# KiCad board RP2040_Akko_M1_Like.kicad_pcb (continued)
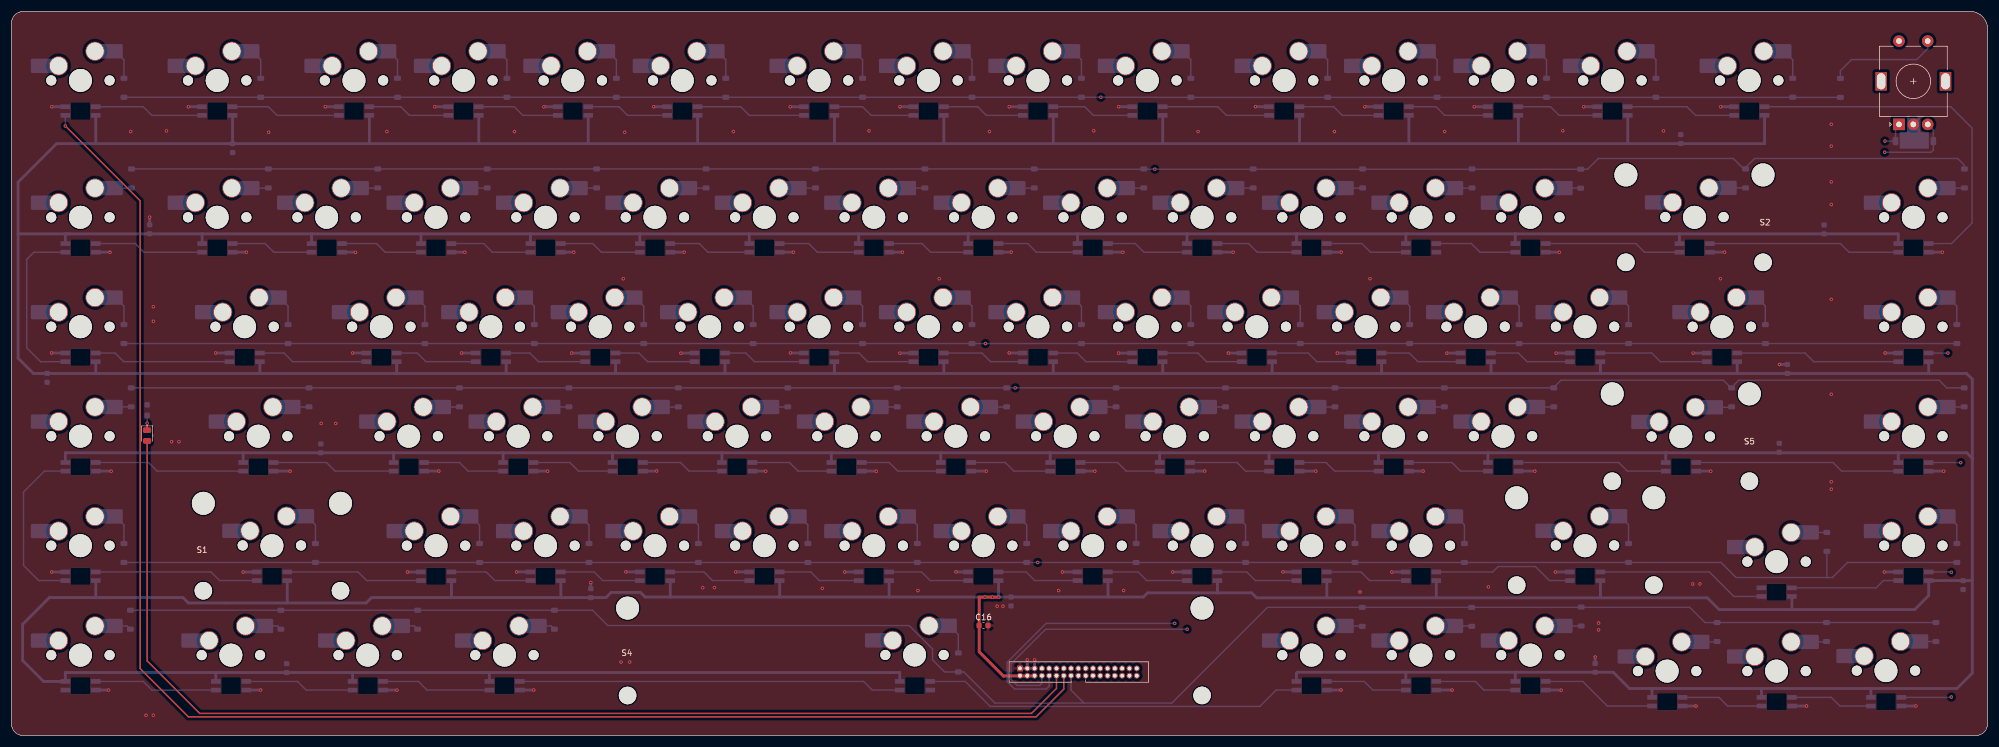
[diagram p0: board, top side]
## Nets
GND: C1.2 C2.2 C3.2 C4.2 C5.2 C6.2 C7.2 C8.2 C9.2 C10.2 C11.2 C12.2 C13.2 C14.2 C15.2 C16.2 J1.1 J1.3 J1.5 R1.2 RGB1.3 RGB2.3 RGB3.3 RGB4.3 RGB5.3 RGB6.3 RGB7.3 RGB8.3 RGB9.3 RGB10.3 RGB11.3 RGB12.3 RGB13.3 RGB14.3 RGB15.3 RGB16.3 RGB17.3 RGB18.3 RGB19.3 RGB20.3 RGB21.3 RGB22.3 RGB23.3 RGB24.3 RGB25.3 RGB26.3 RGB27.3 RGB28.3 RGB29.3 RGB30.3 RGB31.3 RGB32.3 RGB33.3 RGB34.3 RGB35.3 RGB36.3 RGB37.3 RGB38.3 RGB39.3 RGB40.3 RGB41.3 RGB42.3 RGB43.3 RGB44.3 RGB45.3 RGB46.3 RGB47.3 RGB48.3 RGB49.3 RGB50.3 RGB51.3 RGB52.3 RGB53.3 RGB54.3 RGB55.3 RGB56.3 RGB57.3 RGB58.3 RGB59.3 RGB60.3 RGB61.3 RGB62.3 RGB63.3 RGB64.3 RGB65.3 RGB66.3 RGB67.3 RGB68.3 RGB69.3 RGB70.3 RGB71.3 RGB72.3 RGB73.3 RGB74.3 RGB75.3 RGB76.3 RGB77.3 RGB78.3 RGB79.3 RGB80.3 RGB81.3 RGB82.3 RGB83.3 RGB84.3 RGB85.3 RGB86.3 RGB87.3 RGB88.3 ROTARY1.C
VBUS: C3.1 C4.1 C5.1 C6.1 C7.1 C8.1 C9.1 C10.1 C11.1 C12.1 C13.1 C14.1 C15.1 C16.1 J1.2 J1.4 J1.6 RGB1.1 RGB2.1 RGB3.1 RGB4.1 RGB5.1 RGB6.1 RGB7.1 RGB8.1 RGB9.1 RGB10.1 RGB11.1 RGB12.1 RGB13.1 RGB14.1 RGB15.1 RGB16.1 RGB17.1 RGB18.1 RGB19.1 RGB20.1 RGB21.1 RGB22.1 RGB23.1 RGB24.1 RGB25.1 RGB26.1 RGB27.1 RGB28.1 RGB29.1 RGB30.1 RGB31.1 RGB32.1 RGB33.1 RGB34.1 RGB35.1 RGB36.1 RGB37.1 RGB38.1 RGB39.1 RGB40.1 RGB41.1 RGB42.1 RGB43.1 RGB44.1 RGB45.1 RGB46.1 RGB47.1 RGB48.1 RGB49.1 RGB50.1 RGB51.1 RGB52.1 RGB53.1 RGB54.1 RGB55.1 RGB56.1 RGB57.1 RGB58.1 RGB59.1 RGB60.1 RGB61.1 RGB62.1 RGB63.1 RGB64.1 RGB65.1 RGB66.1 RGB67.1 RGB68.1 RGB69.1 RGB70.1 RGB71.1 RGB72.1 RGB73.1 RGB74.1 RGB75.1 RGB76.1 RGB77.1 RGB78.1 RGB79.1 RGB80.1 RGB81.1 RGB82.1 RGB83.1 RGB84.1 RGB85.1 RGB86.1 RGB87.1 RGB88.1
Caps: J1.12 LED1.2
COL0: J1.7 MX1.1 MX16.1 MX32.1 MX48.1 MX63.1 MX78.1
COL1: J1.9 MX2.1 MX17.1 MX33.1 MX49.1 MX64.1 MX79.1
COL2: J1.11 MX3.1 MX18.1 MX34.1 MX50.1 MX65.1 MX80.1
COL3: J1.13 MX4.1 MX19.1 MX35.1 MX51.1 MX66.1 MX81.1
COL4: J1.15 MX5.1 MX20.1 MX36.1 MX52.1 MX67.1
COL5: J1.17 MX6.1 MX21.1 MX37.1 MX53.1 MX68.1
COL6: J1.19 MX7.1 MX22.1 MX38.1 MX54.1 MX69.1
COL7: J1.21 MX8.1 MX23.1 MX39.1 MX55.1 MX70.1 MX82.1
COL8: J1.23 MX9.1 MX24.1 MX40.1 MX56.1 MX71.1
COL9: J1.25 MX10.1 MX25.1 MX41.1 MX57.1 MX72.1
COL10: J1.27 MX11.1 MX26.1 MX42.1 MX58.1 MX73.1 MX83.1
COL11: J1.29 MX12.1 MX27.1 MX43.1 MX59.1 MX74.1 MX84.1
COL12: J1.31 MX13.1 MX28.1 MX44.1 MX60.1 MX85.1
COL13: J1.33 MX14.1 MX29.1 MX45.1 MX75.1 MX86.1
COL14: J1.34 MX15.1 MX30.1 MX46.1 MX61.1 MX76.1 MX87.1
COL15: J1.32 MX31.1 MX47.1 MX62.1 MX77.1 MX88.1 ROTARY1.S2
COL16: J1.30
COL17: J1.28
R_A: C1.1 J1.10 ROTARY1.A
R_B: C2.1 J1.8 ROTARY1.B
RGB_DATA: J1.14 RGB1.4
ROW0: D1.1 D2.1 D3.1 D4.1 D5.1 D6.1 D7.1 D8.1 D9.1 D10.1 D11.1 D12.1 D13.1 D14.1 D15.1 D89.1 J1.26
ROW1: D16.1 D17.1 D18.1 D19.1 D20.1 D21.1 D22.1 D23.1 D24.1 D25.1 D26.1 D27.1 D28.1 D29.1 D30.1 D31.1 J1.24
ROW2: D32.1 D33.1 D34.1 D35.1 D36.1 D37.1 D38.1 D39.1 D40.1 D41.1 D42.1 D43.1 D44.1 D45.1 D46.1 D47.1 J1.22
ROW3: D48.1 D49.1 D50.1 D51.1 D52.1 D53.1 D54.1 D55.1 D56.1 D57.1 D58.1 D59.1 D60.1 D61.1 D62.1 J1.20
ROW4: D63.1 D64.1 D65.1 D66.1 D67.1 D68.1 D69.1 D70.1 D71.1 D72.1 D73.1 D74.1 D75.1 D76.1 D77.1 J1.18
ROW5: D78.1 D79.1 D80.1 D81.1 D82.1 D83.1 D84.1 D85.1 D86.1 D87.1 D88.1 J1.16
Net-(D1-A): D1.2 MX1.2
Net-(D2-A): D2.2 MX2.2
Net-(D3-A): D3.2 MX3.2
Net-(D4-A): D4.2 MX4.2
Net-(D5-A): D5.2 MX5.2
Net-(D6-A): D6.2 MX6.2
Net-(D7-A): D7.2 MX7.2
Net-(D8-A): D8.2 MX8.2
Net-(D9-A): D9.2 MX9.2
Net-(D10-A): D10.2 MX10.2
Net-(D11-A): D11.2 MX11.2
Net-(D12-A): D12.2 MX12.2
Net-(D13-A): D13.2 MX13.2
Net-(D14-A): D14.2 MX14.2
Net-(D15-A): D15.2 MX15.2
Net-(D16-A): D16.2 MX16.2
Net-(D17-A): D17.2 MX17.2
Net-(D18-A): D18.2 MX18.2
Net-(D19-A): D19.2 MX19.2
Net-(D20-A): D20.2 MX20.2
Net-(D21-A): D21.2 MX21.2
Net-(D22-A): D22.2 MX22.2
Net-(D23-A): D23.2 MX23.2
Net-(D24-A): D24.2 MX24.2
Net-(D25-A): D25.2 MX25.2
Net-(D26-A): D26.2 MX26.2
Net-(D27-A): D27.2 MX27.2
Net-(D28-A): D28.2 MX28.2
Net-(D29-A): D29.2 MX29.2
Net-(D30-A): D30.2 MX30.2
Net-(D31-A): D31.2 MX31.2
Net-(D32-A): D32.2 MX32.2
Net-(D33-A): D33.2 MX33.2
Net-(D34-A): D34.2 MX34.2
Net-(D35-A): D35.2 MX35.2
Net-(D36-A): D36.2 MX36.2
Net-(D37-A): D37.2 MX37.2
Net-(D38-A): D38.2 MX38.2
Net-(D39-A): D39.2 MX39.2
Net-(D40-A): D40.2 MX40.2
Net-(D41-A): D41.2 MX41.2
Net-(D42-A): D42.2 MX42.2
Net-(D43-A): D43.2 MX43.2
Net-(D44-A): D44.2 MX44.2
Net-(D45-A): D45.2 MX45.2
Net-(D46-A): D46.2 MX46.2
Net-(D47-A): D47.2 MX47.2
Net-(D48-A): D48.2 MX48.2
Net-(D49-A): D49.2 MX49.2
Net-(D50-A): D50.2 MX50.2
Net-(D51-A): D51.2 MX51.2
Net-(D52-A): D52.2 MX52.2
Net-(D53-A): D53.2 MX53.2
Net-(D54-A): D54.2 MX54.2
Net-(D55-A): D55.2 MX55.2
Net-(D56-A): D56.2 MX56.2
Net-(D57-A): D57.2 MX57.2
Net-(D58-A): D58.2 MX58.2
Net-(D59-A): D59.2 MX59.2
Net-(D60-A): D60.2 MX60.2
Net-(D61-A): D61.2 MX61.2
Net-(D62-A): D62.2 MX62.2
Net-(D63-A): D63.2 MX63.2
Net-(D64-A): D64.2 MX64.2
Net-(D65-A): D65.2 MX65.2
Net-(D66-A): D66.2 MX66.2
Net-(D67-A): D67.2 MX67.2
Net-(D68-A): D68.2 MX68.2
Net-(D69-A): D69.2 MX69.2
Net-(D70-A): D70.2 MX70.2
Net-(D71-A): D71.2 MX71.2
Net-(D72-A): D72.2 MX72.2
Net-(D73-A): D73.2 MX73.2
Net-(D74-A): D74.2 MX74.2
Net-(D75-A): D75.2 MX75.2
Net-(D76-A): D76.2 MX76.2
Net-(D77-A): D77.2 MX77.2
Net-(D78-A): D78.2 MX78.2
Net-(D79-A): D79.2 MX79.2
Net-(D80-A): D80.2 MX80.2
Net-(D81-A): D81.2 MX81.2
Net-(D82-A): D82.2 MX82.2
Net-(D83-A): D83.2 MX83.2
Net-(D84-A): D84.2 MX84.2
Net-(D85-A): D85.2 MX85.2
Net-(D86-A): D86.2 MX86.2
Net-(D87-A): D87.2 MX87.2
Net-(D88-A): D88.2 MX88.2
Net-(D89-A): D89.2 ROTARY1.S1
Net-(LED1-K): LED1.1 R1.1
Net-(RGB1-DOUT): RGB1.2 RGB2.4
Net-(RGB2-DOUT): RGB2.2 RGB3.4
Net-(RGB3-DOUT): RGB3.2 RGB4.4
Net-(RGB4-DOUT): RGB4.2 RGB5.4
Net-(RGB5-DOUT): RGB5.2 RGB6.4
Net-(RGB6-DOUT): RGB6.2 RGB7.4
Net-(RGB7-DOUT): RGB7.2 RGB8.4
Net-(RGB8-DOUT): RGB8.2 RGB9.4
Net-(RGB10-DIN): RGB9.2 RGB10.4
Net-(RGB10-DOUT): RGB10.2 RGB11.4
Net-(RGB11-DOUT): RGB11.2 RGB12.4
Net-(RGB12-DOUT): RGB12.2 RGB13.4
Net-(RGB13-DOUT): RGB13.2 RGB14.4
Net-(RGB14-DOUT): RGB14.2 RGB15.4
Net-(RGB15-DOUT): RGB15.2 RGB31.4
Net-(RGB16-DIN): RGB16.4 RGB17.2
Net-(RGB16-DOUT): RGB16.2 RGB32.4
Net-(RGB17-DIN): RGB17.4 RGB18.2
Net-(RGB18-DIN): RGB18.4 RGB19.2
Net-(RGB19-DIN): RGB19.4 RGB20.2
Net-(RGB20-DIN): RGB20.4 RGB21.2
Net-(RGB21-DIN): RGB21.4 RGB22.2
Net-(RGB22-DIN): RGB22.4 RGB23.2
Net-(RGB23-DIN): RGB23.4 RGB24.2
Net-(RGB24-DIN): RGB24.4 RGB25.2
Net-(RGB25-DIN): RGB25.4 RGB26.2
Net-(RGB26-DIN): RGB26.4 RGB27.2
Net-(RGB27-DIN): RGB27.4 RGB28.2
Net-(RGB28-DIN): RGB28.4 RGB29.2
Net-(RGB29-DIN): RGB29.4 RGB30.2
Net-(RGB30-DIN): RGB30.4 RGB31.2
Net-(RGB32-DOUT): RGB32.2 RGB33.4
Net-(RGB33-DOUT): RGB33.2 RGB34.4
Net-(RGB34-DOUT): RGB34.2 RGB35.4
Net-(RGB35-DOUT): RGB35.2 RGB36.4
Net-(RGB36-DOUT): RGB36.2 RGB37.4
Net-(RGB37-DOUT): RGB37.2 RGB38.4
Net-(RGB38-DOUT): RGB38.2 RGB39.4
Net-(RGB39-DOUT): RGB39.2 RGB40.4
Net-(RGB40-DOUT): RGB40.2 RGB41.4
Net-(RGB41-DOUT): RGB41.2 RGB42.4
Net-(RGB42-DOUT): RGB42.2 RGB43.4
Net-(RGB43-DOUT): RGB43.2 RGB44.4
Net-(RGB44-DOUT): RGB44.2 RGB45.4
Net-(RGB45-DOUT): RGB45.2 RGB46.4
Net-(RGB46-DOUT): RGB46.2 RGB47.4
Net-(RGB47-DOUT): RGB47.2 RGB62.4
Net-(RGB48-DIN): RGB48.4 RGB49.2
Net-(RGB48-DOUT): RGB48.2 RGB63.4
Net-(RGB49-DIN): RGB49.4 RGB50.2
Net-(RGB50-DIN): RGB50.4 RGB51.2
Net-(RGB51-DIN): RGB51.4 RGB52.2
Net-(RGB52-DIN): RGB52.4 RGB53.2
Net-(RGB53-DIN): RGB53.4 RGB54.2
Net-(RGB54-DIN): RGB54.4 RGB55.2
Net-(RGB55-DIN): RGB55.4 RGB56.2
Net-(RGB56-DIN): RGB56.4 RGB57.2
Net-(RGB57-DIN): RGB57.4 RGB58.2
Net-(RGB58-DIN): RGB58.4 RGB59.2
Net-(RGB59-DIN): RGB59.4 RGB60.2
Net-(RGB60-DIN): RGB60.4 RGB61.2
Net-(RGB61-DIN): RGB61.4 RGB62.2
Net-(RGB63-DOUT): RGB63.2 RGB64.4
Net-(RGB64-DOUT): RGB64.2 RGB65.4
Net-(RGB65-DOUT): RGB65.2 RGB66.4
Net-(RGB66-DOUT): RGB66.2 RGB67.4
Net-(RGB67-DOUT): RGB67.2 RGB68.4
Net-(RGB68-DOUT): RGB68.2 RGB69.4
Net-(RGB69-DOUT): RGB69.2 RGB70.4
Net-(RGB70-DOUT): RGB70.2 RGB71.4
Net-(RGB71-DOUT): RGB71.2 RGB72.4
Net-(RGB72-DOUT): RGB72.2 RGB73.4
Net-(RGB73-DOUT): RGB73.2 RGB74.4
Net-(RGB74-DOUT): RGB74.2 RGB75.4
Net-(RGB75-DOUT): RGB75.2 RGB76.4
Net-(RGB76-DOUT): RGB76.2 RGB77.4
Net-(RGB77-DOUT): RGB77.2 RGB88.4
Net-(RGB78-DIN): RGB78.4 RGB79.2
Net-(RGB79-DIN): RGB79.4 RGB80.2
Net-(RGB80-DIN): RGB80.4 RGB81.2
Net-(RGB81-DIN): RGB81.4 RGB82.2
Net-(RGB82-DIN): RGB82.4 RGB83.2
Net-(RGB83-DIN): RGB83.4 RGB84.2
Net-(RGB84-DIN): RGB84.4 RGB85.2
Net-(RGB85-DIN): RGB85.4 RGB86.2
Net-(RGB86-DIN): RGB86.4 RGB87.2
Net-(RGB87-DIN): RGB87.4 RGB88.2

Pads without a net: RGB78 2

## Via types
v1: diameter 0.6, hole 0.3, Top to Bottom, 160 vias

## Routing (per net, layer and track width the routed paths; a pad name or vN(x,y) marks a point on that pad's centre or on a via; arc(x,y) is an arc through that point)
GND: length 215.8
  Bottom w0.5: v1(268.78,28.45) 268.79,28.46 RGB75.3 ; v1(90.93,7.93) 90.91,7.91 RGB81.3 ; RGB61.3 295.79,46.01 v1(295.83,45.98) ; RGB74.3 240.31,28.46 v1(240.3,28.45) ; 176.03,109.43 v1(173.69,109.43) ; RGB59.3 245.74,46.01 v1(245.75,46.03) ; v1(207.73,46.03) 207.71,46.01 RGB57.3 ; 231.5,84.13 v1(231.49,84.11) RGB27.3 ; RGB73.3 221.36,28.46 v1(221.35,28.48) ; RGB53.3 131.29,46.01 v1(131.3,46) ; RGB58.3 v1(227.05,46.01) ; v1(93.33,46) 93.31,46.01 RGB51.3 ; v1(67.1,7.9) 67.09,7.91 RGB80.3 ; RGB49.3 48.49,46.01 v1(48.5,46) ; 90.28,28.48 v1(87.94,28.48) ; RGB85.3 269.76,7.91 v1(269.78,7.9) ; RGB22.3 136.11,84.11 v1(136.13,84.1) ; 182.95,28.45 v1(182.96,28.46) RGB71.3 ; RGB87.3 v1(312.49,5.13) 312.5,5.13 ; RGB3.3 v1(54.64,109.43) ; RGB19.3 78.91,84.11 v1(78.93,84.1) ; v1(17.15,84.1) 17.14,84.11 RGB16.3 ; 128.42,28.48 v1(126.08,28.48) ; 202.13,28.48 v1(202.14,28.46) RGB72.3 ; C11.2 v1(24.05,90.2) ; 37.89,66.58 v1(35.55,66.58) ; 295.09,66.55 v1(292.75,66.55) ; RGB84.3 v1(250.79,7.91) 250.8,7.9 ; RGB83.3 231.44,7.91 v1(231.45,7.93) ; RGB48.3 17.34,46.01 v1(17.35,46) ; v1(150.55,46) 150.54,46.01 RGB54.3 ; v1(59.9,84.08) 59.86,84.11 RGB18.3 ; v1(298.23,84.1) 298.21,84.11 RGB30.3 ; 157,66.55 v1(154.66,66.55) ; v1(16.9,7.9) 16.89,7.91 RGB78.3 ; J1.5 J1.1 ; v1(212.68,84.1) 212.66,84.11 RGB26.3 ; RGB23.3 155.09,84.11 v1(155.1,84.1) ; v1(74.4,46.03) 74.39,46.01 71.85,46.01 ; 33.14,109.43 v1(30.8,109.43) ; C6.2 v1(307.78,64.58) 307.75,64.6 ; v1(193.48,84.1) 193.46,84.11 RGB25.3 ; 326.03,28.48 v1(326.04,28.46) RGB77.3 ; RGB88.3 v1(331.52,5.13) 331.53,5.13 ; 95.03,109.43 v1(92.69,109.43) ; v1(188.6,46) 188.59,46.01 RGB56.3 ; RGB35.3 v1(78.35,66.56) 78.29,66.5 ; RGB31.3 336.11,84.11 v1(336.13,84.1) ; 299.88,109.43 v1(297.54,109.43) ; v1(265.2,46) 265.19,46.01 RGB60.3 ; RGB86.3 293.24,5.13 v1(293.25,5.13) ; RGB1.3 v1(7.01,109.43) ; 233.14,66.55 v1(230.8,66.55) ; RGB55.3 v1(169.69,46.01) 169.7,46 ; RGB52.3 112.31,46.01 v1(112.33,46.03) ; C3.2 v1(100.85,26.63) ; v1(269.45,84.1) 269.44,84.11 RGB29.3 ; 99.85,66.55 v1(97.51,66.55) ; RGB24.3 v1(174.04,84.11) 174.05,84.13 ; RGB4.3 v1(73.69,109.43) ; RGB21.3 v1(117.11,84.11) 117.13,84.1 ; 326.15,66.58 v1(326.16,66.56) RGB47.3 ; C9.2 v1(275.7,13.65) ; 195.1,66.55 v1(192.73,66.55) ; RGB79.3 43.36,7.91 v1(43.38,7.9) ; 178.11,11.63 v1(178.11,13.16) ; 61.73,66.58 v1(59.39,66.58) ; 9.34,28.45 v1(7.01,28.45) ; 137.95,66.58 v1(135.61,66.58) ; RGB17.3 40.89,84.11 v1(40.9,84.1) ; RGB11.3 v1(216.56,109.43) ; 271.24,66.55 v1(268.9,66.55) ; 109.29,28.48 v1(106.96,28.48) ; 214.18,66.55 v1(211.84,66.55) ; RGB12.3 v1(235.61,109.43) ; 252.21,66.55 v1(249.88,66.55) ; 137.93,109.43 v1(135.59,109.43) ; RGB6.3 v1(111.79,109.43) ; 276.05,109.43 v1(273.71,109.43) ; 195.1,109.43 v1(192.76,109.43) ; 71.28,28.45 v1(68.94,28.45) ; v1(164.43,28.48) 164.44,28.46 RGB70.3 ; 176.03,66.58 v1(173.69,66.58) ; 157.01,109.43 v1(154.68,109.43) ; RGB69.3 v1(145.04,28.46) 145.03,28.45 ; v1(97.88,84.1) 97.86,84.11 RGB20.3 ; 333.79,46.01 336.36,46.01 v1(336.38,46) ; 118.88,66.55 v1(116.54,66.55) ; 42.66,28.45 v1(40.33,28.45) ; v1(176.83,13.16) 176.84,13.15 J1.3 ; 9.31,66.58 v1(6.98,66.58) ; RGB13.3 v1(254.66,109.43)
  vias: v1(20.76,105.11) v1(23.43,3.51) v1(24.7,74.63) v1(24.7,72.09) v1(24.7,3.51) v1(26.99,105.24) v1(27.88,51.14) v1(29.15,51.14) v1(44.77,104.98) v1(53.91,54.31) v1(56.45,54.31) v1(65.34,105.11) v1(87.57,105.11) v1(106.11,12.78) v1(106.5,79.5) v1(106.74,104.98) v1(107.63,12.78) v1(120.33,25.74) v1(122.36,25.74) v1(125.67,105.11) v1(141.16,25.61) v1(149.29,105.24) v1(157.8,25.23) v1(161.5,79.5) v1(170.24,105.11) v1(171.58,22.5) v1(172.6,22.5) v1(182.31,25.23) v1(188.4,105.24) v1(193.61,25.23) v1(206.56,105.11) v1(230.31,105.11) v1(234.76,24.97) v1(236.5,79.5) v1(249.49,105.11) v1(257.11,25.86) v1(270.06,105.24) v1(276.29,19.57) v1(276.29,18.37) v1(287.59,105.24) v1(292.67,26.37) v1(293.94,26.37) v1(297.5,79.5) v1(316.8,106.38) v1(316.8,102.57) v1(316.8,96.35) v1(316.8,92.41) v1(316.8,75.9) v1(316.8,59.39) v1(316.8,44.15) v1(316.8,42.88)
VBUS: length 2264.3
  Top w0.5: v1(171.89,24.08) v1(170.75,24.08) v1(169.48,24.08) 168.46,24.08 168.46,14.56 172.66,10.36 178.11,10.36
  Bottom w0.5: RGB12.1 243.28,103.03 243.3,103 ; RGB22.1 128.44,87.26 128.4,87.3 ; 59.39,10.96 82.56,10.96 ; 59.39,10.96 35.56,10.96 ; 59.39,10.96 59.38,10.95 RGB80.1 ; 82.56,10.96 83.18,10.96 83.19,10.95 RGB81.1 ; 82.56,10.96 154.6,10.96 154.63,10.93 RGB82.1 ; RGB23.1 147.49,87.21 147.4,87.3 ; 76.6,24 62.67,24 61.74,23.07 30.8,23.07 29.86,24 16.7,24 ; 76.6,24 95.6,24 ; 76.6,24 76.59,24.01 RGB65.1 ; 162.3,63 162.31,63.01 RGB39.1 ; 162.3,63 181.4,63 ; 162.3,63 143.3,63 ; 199.9,49.2 219,49.2 ; 199.9,49.2 180.8,49.2 ; 199.9,49.2 199.88,49.18 RGB57.1 ; 219,49.2 218.93,49.13 RGB58.1 ; 219,49.2 238,49.2 ; RGB38.1 143.26,63.04 143.3,63 ; 142.8,49.2 142.73,49.13 RGB54.1 ; 142.8,49.2 123.7,49.2 ; 142.8,49.2 161.8,49.2 ; RGB40.1 181.36,63.04 181.4,63 ; 181.4,63 200.5,63 ; 200.5,63 219.5,63 ; 200.5,63 200.41,63.09 RGB41.1 ; 341.35,47.96 341.35,27.1 ; 341.35,47.96 341.35,62.02 340.37,63 333.44,63 ; 341.35,47.96 341.35,48.25 340.4,49.2 328.5,49.2 ; 341.35,27.1 341.21,26.96 RGB77.1 333.76,24.36 331.32,21.92 309.96,21.92 ; 341.35,27.1 341.35,10.85 338.68,8.18 323.7,8.18 ; RGB11.1 224.23,103.03 224.2,103 ; RGB68.1 133.74,24.14 133.7,24.1 ; 276.6,63 276.61,63.01 RGB45.1 ; 276.6,63 300.4,63 ; 276.6,63 257.6,63 ; RGB33.1 43.25,63.05 43.3,63 ; RGB18.1 52.24,87.24 52.3,87.3 ; 67.1,63 67.06,63.04 RGB34.1 ; 67.1,63 43.3,63 ; 67.1,63 86.2,63 ; 95.6,24 103.5,24 104.4,24.9 109.5,24.9 110.3,24.1 114.7,24.1 ; 95.6,24 95.64,24.04 RGB66.1 ; 261.8,87.3 261.79,87.29 RGB29.1 ; 261.8,87.3 290.4,87.3 ; 261.8,87.3 242.8,87.3 ; 166.6,87.3 166.54,87.24 RGB24.1 ; 166.6,87.3 185.6,87.3 ; 166.6,87.3 147.4,87.3 ; RGB76.1 309.94,21.94 309.96,21.92 ; RGB31.1 328.46,87.24 328.4,87.3 290.4,87.3 ; 143.2,103 143.26,103.06 RGB7.1 ; 143.2,103 162.3,103 ; 143.2,103 119.4,103 ; RGB75.1 276.61,23.98 ; RGB70.1 171.84,24.14 171.8,24.1 ; 185.6,87.3 185.59,87.29 RGB25.1 ; 185.6,87.3 204.6,87.3 ; 242.72,11.01 242.74,10.99 RGB84.1 ; 242.72,11.01 261.78,11.01 ; 242.72,11.01 223.86,11.01 223.69,10.84 RGB83.1 ; 243.3,103 224.2,103 ; 243.3,103 262.3,103 ; RGB69.1 152.79,24.11 152.8,24.1 ; 33.2,87.3 52.3,87.3 ; 33.2,87.3 10.1,87.3 ; 33.2,87.3 33.19,87.29 RGB17.1 ; 52.3,87.3 71.3,87.3 ; 300.4,63 300.43,63.03 RGB46.1 ; 300.4,63 333.44,63 ; 290.4,87.3 290.36,87.26 RGB30.1 ; 147.4,87.3 128.4,87.3 ; 181.3,103 181.36,103.06 RGB9.1 ; 181.3,103 200.4,103 ; 181.3,103 162.3,103 ; 262.3,103 262.33,103.03 RGB13.1 ; 262.3,103 281.4,103 ; RGB67.1 114.69,24.11 114.7,24.1 ; 257.1,49.2 257.03,49.13 RGB60.1 ; 257.1,49.2 238,49.2 ; 257.1,49.2 288,49.2 ; 71.3,87.3 90.3,87.3 ; 71.3,87.3 71.29,87.29 RGB19.1 ; 90.3,87.3 90.34,87.26 RGB20.1 ; 90.3,87.3 109.4,87.3 ; 16.7,24 14.7,24 14.68,24.03 RGB63.1 ; 16.7,24 6.58,24 1.94,19.36 1.94,13.06 5.59,9.41 RGB78.1 9.38,10.96 9.38,10.96 35.56,10.96 ; 124.2,63 124.21,63.01 RGB37.1 ; 124.2,63 105.2,63 ; 124.2,63 143.3,63 ; 281.4,103 281.38,103.03 RGB14.1 ; 281.4,103 305.2,103 305.19,103.01 RGB15.1 ; RGB51.1 85.58,49.18 85.6,49.2 ; 10.1,87.3 1.18,87.3 1.15,87.33 ; 10.1,87.3 9.4,87.3 9.38,87.28 RGB16.1 ; RGB87.1 304.65,8.18 ; 304.65,8.18 285.6,8.18 ; 304.65,8.18 323.7,8.18 ; 66.5,49.2 85.6,49.2 ; 66.5,49.2 66.53,49.18 RGB50.1 ; 66.5,49.2 40.4,49.2 ; 85.6,49.2 104.6,49.2 ; 171.8,24.1 152.8,24.1 ; 171.8,24.1 191,24.1 ; 128.4,87.3 109.4,87.3 ; 162.3,103 162.31,103.01 RGB8.1 ; 333.44,63 333.73,63 333.76,63.04 RGB47.1 ; RGB43.1 238.51,63.01 238.5,63 ; 238.5,63 257.6,63 ; 238.5,63 219.5,63 ; 257.6,63 257.56,63.04 RGB44.1 ; 219.5,63 219.46,63.04 RGB42.1 ; 133.7,24.1 152.8,24.1 ; 133.7,24.1 114.7,24.1 ; 309.96,21.92 297.27,21.92 295.23,23.96 216.76,23.96 215.89,24.83 209.94,24.83 ; RGB49.1 40.33,49.13 40.4,49.2 ; 209.94,24.83 209.94,24.83 RGB72.1 ; 209.94,24.83 197.78,24.83 197.05,24.1 191,24.1 ; RGB32.1 14.68,63.03 14.7,63 15.15,63 ; RGB61.1 287.98,49.18 288,49.2 ; 288,49.2 328.5,49.2 ; 328.5,49.2 328.46,49.16 328.46,47.51 ; 223.7,87.3 242.8,87.3 ; 223.7,87.3 204.6,87.3 ; 223.7,87.3 223.69,87.29 RGB27.1 ; 242.8,87.3 242.74,87.24 RGB28.1 ; 105.2,63 86.2,63 ; 105.2,63 105.16,63.04 RGB36.1 ; 15.15,63 3.82,63 1.15,65.67 1.15,96.29 7.86,103 C10.1 ; 15.15,63 43.3,63 ; 261.78,11.01 278.85,11.01 281.68,8.18 285.6,8.18 ; 261.78,11.01 261.79,11 RGB85.1 ; 35.56,10.96 35.57,10.95 RGB79.1 ; 180.8,49.2 180.83,49.18 RGB56.1 ; 180.8,49.2 161.8,49.2 ; 40.4,49.2 9.4,49.2 9.38,49.18 RGB48.1 ; RGB52.1 104.63,49.18 104.6,49.2 ; 238,49.2 237.98,49.18 RGB59.1 ; 204.6,87.3 204.64,87.26 RGB26.1 ; 109.4,87.3 109.39,87.29 RGB21.1 ; 104.6,49.2 123.7,49.2 ; 123.7,49.2 123.68,49.18 RGB53.1 ; 323.7,8.18 RGB88.1 ; 285.6,8.18 285.6,6.63 ; RGB5.1 100.4,103 ; 100.4,103 81.4,103 ; 100.4,103 119.4,103 ; RGB35.1 86.11,63.09 86.2,63 ; C10.1 62.3,103 ; C10.1 38.49,103.01 RGB2.1 ; 62.3,103 81.4,103 ; 62.3,103 62.3,107.93 ; 119.4,103 119.45,103.05 RGB6.1 ; RGB71.1 190.89,24.21 191,24.1 ; 81.4,103 81.35,103.05 RGB4.1 ; 224.2,103 200.4,103 ; RGB55.1 161.78,49.18 161.8,49.2 ; 200.4,103 200.41,103.01 RGB10.1 ; RGB74.1 248.04,24.24 ; RGB1.1 14.68,103.01 ; RGB73.1 228.99,24.21 ; RGB64.1 48.01,23.07
Caps: length 204.3
  Top w0.25: LED1.2 23.62,12.98 32.75,3.85 177.57,3.85 181.92,8.2 181.92,10.36
COL0: length 304.3
  In2.Cu w0.25: 4.2,54.6 4.23,54.63 MX48.1 ; 4.2,54.6 4.2,35.57 ; 4.2,54.6 4.2,73.7 ; 4.2,92.7 4.2,73.7 ; 4.2,92.7 4.2,115 5.74,116.54 MX1.1 ; 4.2,92.7 4.23,92.73 MX16.1 ; 4.2,73.7 4.22,73.68 MX32.1 ; 4.2,35.57 4.21,35.58 MX63.1 ; 4.2,35.57 4.2,23.63 8.19,19.64 MX78.1 18.57,16.53 31.05,4.05 165.07,4.05 175.7,14.69 178.88,14.69 179.38,14.18 179.38,11.63
COL1: length 290.7
  In2.Cu w0.25: 33.24,73.7 33.26,73.68 MX33.1 ; 33.24,73.7 33.55,73.39 33.55,54.7 ; 33.24,73.7 25.63,81.31 25.63,92.83 ; 37.91,35.7 37.91,45.14 33.55,49.5 33.55,54.7 ; 37.91,35.7 37.99,35.62 MX64.1 ; 37.91,35.7 37.91,23.45 34.38,19.92 MX79.1 48.67,16.53 53.65,11.55 74.2,11.55 81.15,4.6 164.47,4.6 175.32,15.45 180.02,15.45 180.65,14.82 180.65,11.63 ; 33.55,54.7 33.62,54.63 MX49.1 ; 25.63,92.83 25.73,92.73 MX17.1 ; 25.63,92.83 25.63,115.42 25.69,115.48 25.69,115.66 26.57,116.54 MX2.1
COL2: length 272.3
  In2.Cu w0.25: 55.04,73.68 55.04,61.93 61.14,55.83 61.14,54.64 ; 55.04,73.68 55.04,76.21 47.58,83.67 47.58,92.72 ; 55.04,73.68 55.04,73.68 MX34.1 ; MX18.1 47.59,92.73 47.58,92.72 ; 65.81,35.66 65.81,27.6 58.2,19.99 MX80.1 72.32,16.53 77.6,11.25 136.09,11.25 142.29,5.05 163.91,5.05 174.94,16.08 181.29,16.08 181.92,15.45 181.92,11.63 ; 65.81,35.66 65.89,35.58 MX65.1 ; 65.81,35.66 65.81,38.11 61.14,42.78 61.14,54.64 ; 47.58,92.72 47.58,114.32 49.8,116.54 MX3.1 ; MX50.1 61.15,54.63 61.14,54.64
COL3: length 243.9
  In2.Cu w0.25: 81.03,54.63 81.03,54.63 MX51.1 ; 81.03,54.63 81.03,43.51 85.51,39.03 85.51,38.88 85.46,38.83 85.46,35.58 ; 81.03,54.63 81.03,58.86 75.94,63.95 75.94,73.66 ; 85.46,35.58 85.46,35.58 MX66.1 ; 85.46,35.58 85.46,23.63 82.01,20.18 MX81.1 132.33,16.53 143.31,5.55 163.39,5.55 174.81,16.97 181.93,16.97 183.19,15.71 183.19,11.63 ; 75.94,73.66 75.96,73.68 MX35.1 ; 75.94,73.66 75.94,74.47 66.73,83.68 66.73,92.72 ; 66.73,92.72 66.74,92.73 MX19.1 ; 66.73,92.72 66.73,111.96 71.31,116.54 MX4.1
COL4: length 208
  In2.Cu w0.25: MX5.1 91.5,116.54 89.15,114.19 MX20.1 98.04,92.73 100.01,90.76 100.01,77.42 98.68,76.09 MX36.1 96.33,73.68 95.06,72.4 95.06,64.57 99.58,60.05 99.58,54.66 ; 99.58,54.66 99.58,46.11 108.2,37.48 MX67.1 119.42,35.58 121.55,33.45 121.55,28.58 144.08,6.05 162.88,6.05 174.56,17.73 182.69,17.73 184.46,15.96 184.46,11.63 ; 99.58,54.66 99.61,54.63 MX52.1
COL5: length 199.1
  In2.Cu w0.25: 118.93,54.76 118.93,56.79 114.06,61.66 114.06,72.3 115.44,73.68 MX37.1 117.73,76.85 119.44,78.57 119.44,91.52 118.24,92.73 MX21.1 108.2,114.89 109.85,116.54 MX6.1 ; 118.93,54.76 119.06,54.63 MX53.1 ; 118.93,54.76 118.93,43.9 MX68.1 138.35,35.58 139.38,34.55 139.38,17.1 149.94,6.54 162.47,6.54 174.43,18.5 183.4,18.5 185.73,16.17 185.73,11.63
COL6: length 189.1
  In2.Cu w0.25: MX54.1 138.43,54.63 138.39,54.67 ; 138.39,54.67 138.39,57.63 132.9,63.12 132.9,72.73 133.86,73.68 MX38.1 138.24,75.14 138.24,92.16 137.67,92.73 MX22.1 127.25,111.97 131.82,116.54 MX7.1 ; 138.39,54.67 138.39,45.65 146.3,37.74 MX69.1 143.76,35.58 143,34.82 143,15.89 147.59,11.3 166.35,11.3 174.31,19.26 184.72,19.26 187,16.98 187,11.63
COL7: length 172.5
  In2.Cu w0.25: 153.45,16.53 159.02,22.1 159.02,35.52 ; 157.38,54.69 157.38,57.83 151.7,63.52 151.7,72.72 152.66,73.68 MX39.1 ; 157.38,54.69 157.38,44.14 159.02,42.5 159.02,35.52 ; 157.38,54.69 157.45,54.63 MX55.1 ; 159.02,35.52 159.08,35.58 MX70.1 176.62,35.58 180.7,31.5 180.7,25.15 188.27,17.58 188.27,11.63 ; MX8.1 153.61,116.54 151.07,114 151.07,109.24 146.3,104.48 MX23.1 155.18,92.73 156.61,91.3 156.61,74.46
COL8: length 145.3
  In2.Cu w0.25: 176.35,54.65 176.35,55.65 171.25,60.75 171.25,72.46 172.46,73.68 MX40.1 176.64,75.44 176.64,91.4 175.31,92.73 MX24.1 165.35,104.16 168.59,107.4 168.59,113.22 171.91,116.54 MX9.1 ; 176.35,54.65 176.35,43.63 MX71.1 193.37,35.58 194.88,34.07 194.88,21.28 189.54,15.94 189.54,11.63 ; 176.35,54.65 176.37,54.63 MX56.1
COL9: length 138.8
  In2.Cu w0.25: 194.72,54.71 194.8,54.63 MX57.1 ; 194.72,54.71 194.72,44.31 MX72.1 200.55,35.58 197.04,32.07 197.04,21.14 190.81,14.91 190.81,11.63 ; 194.72,54.71 194.72,57.42 190.68,61.46 190.68,72.59 191.77,73.68 MX41.1 193.93,82.24 194.69,83 194.69,91.33 193.29,92.73 MX25.1 187.41,95.74 187.41,112.36 191.59,116.54 MX10.1
COL10: length 164
  In2.Cu w0.25: 214.53,54.65 214.55,54.63 MX58.1 ; 214.53,54.65 214.53,57.1 209.45,62.18 209.45,72.69 210.44,73.68 MX42.1 212.98,81.62 214.05,82.69 214.05,92.72 ; 214.53,54.65 214.53,45.46 222.5,37.48 MX73.1 220.72,35.58 219.14,33.99 219.14,22.56 222.5,19.19 MX83.1 194.24,16.53 192.08,14.37 192.08,11.63 ; MX26.1 214.04,92.73 214.05,92.72 ; 214.05,92.72 214.05,116.24 214.35,116.54 MX11.1
COL11: length 185.5
  In2.Cu w0.25: 233.35,92.7 233.35,115.75 234.14,116.54 236.79,116.54 ; 233.35,92.7 233.32,92.73 MX27.1 ; 233.35,92.7 233.35,82.24 232.03,80.92 MX43.1 229.69,73.68 228.66,72.65 228.66,64.09 231.58,61.17 231.58,54.69 ; 193.35,11.63 193.35,12.78 194.75,14.18 211.01,14.18 213.99,11.2 232.92,11.2 238.25,16.53 MX84.1 241.55,20.85 237.17,25.23 237.17,35.64 ; 237.17,35.64 237.17,40.34 231.58,45.93 231.58,54.69 ; 237.17,35.64 237.23,35.58 MX74.1 ; 231.58,54.69 231.65,54.63 236.79,54.63
COL12: length 207.4
  In2.Cu w0.25: 194.62,11.63 194.62,12.52 195.13,13.04 209.99,13.04 217.74,5.29 253.53,5.29 257.04,8.8 257.04,15.12 258.44,16.53 MX85.1 260.6,18.56 255.21,23.96 255.21,39.45 252,42.66 252,54.6 ; 252,54.6 252,60.2 247.3,64.9 247.3,72.7 248.28,73.68 MX44.1 251.08,78.78 252.5,80.2 252.5,92.8 ; 252,54.6 252.03,54.63 MX60.1 ; MX13.1 252.14,116.54 251.2,115.6 251.2,106.3 252.5,105 252.5,92.8 ; MX28.1 252.43,92.73 252.5,92.8
COL13: length 233.9
  In2.Cu w0.25: MX14.1 269.94,116.54 269,115.6 269,106.9 260.6,98.5 MX29.1 270.12,92.73 271.61,91.24 271.61,75.16 MX45.1 268.12,73.68 267.3,72.86 267.3,38.44 MX75.1 281.15,35.62 282.76,34.01 282.76,17.75 284.42,16.1 MX86.1 281.95,13.75 272.35,4.15 217.23,4.15 209.7,11.68 J1.33
COL14: length 261.2
  In2.Cu w0.25: 297.8,32.87 297.8,53.4 296.62,54.58 MX61.1 285.15,56.23 285.15,73.7 ; 297.8,32.87 297.8,22.13 303.47,16.46 MX87.1 301.13,13.75 296.91,9.52 296.91,3.85 296.19,3.13 216.85,3.13 209.57,10.41 J1.34 ; 297.8,32.87 297.87,32.8 MX76.1 ; 285.15,92.7 285.15,107.37 294.32,116.54 MX15.1 ; 285.15,92.7 285.21,92.77 MX30.1 ; 285.15,92.7 285.15,73.7 ; MX46.1 285.17,73.68 285.15,73.7
COL15: length 269.3
  In2.Cu w0.25: 322.52,73.7 322.52,54.6 ; 322.52,73.7 322.54,73.68 MX47.1 ; 322.52,73.7 322.52,92.7 ; 322.52,54.6 322.54,54.63 MX62.1 ; 322.52,54.6 322.52,36.78 ; 322.52,92.7 322.52,114.78 ROTARY1.S2 ; 322.52,92.7 322.54,92.73 MX31.1 ; 322.52,36.78 MX88.1 320.18,13.83 315.25,8.9 315.25,3.54 314.08,2.37 216.09,2.37 209.29,9.17 195.25,9.17 194.62,9.8 J1.32 ; 322.52,36.78 322.52,35.6 322.54,35.58 MX77.1
R_A: length 231.7
  In1.Cu w0.25: v1(326.15,103.45) 324.9,103.45 320.77,99.32 320.77,58.41 301.35,38.99 294.37,38.99 277.56,22.18 213.55,22.18 210.88,19.51 v1(202.5,19.51)
  Bottom w0.25: v1(202.5,19.51) 180.1,19.51 173.33,12.74 173.33,9.39 174.64,8.08 180.15,8.08 180.65,8.58 180.65,10.36 ; v1(326.15,103.45) 326.16,103.44 C1.1 327.99,105.75
R_B: length 236
  In1.Cu w0.25: v1(204.66,18.5) 211.39,18.5 214.44,21.54 277.94,21.54 294.59,38.2 301.96,38.2 321.56,57.8 321.56,98.09 324.97,101.5 v1(326.1,101.5)
  Bottom w0.25: ROTARY1.B 334.57,105.37 C2.1 334.57,101.87 334.2,101.5 v1(326.1,101.5) ; 179.38,10.36 179.38,9.09 179.01,8.72 175.08,8.72 174.01,9.79 174.01,12.47 180.04,18.5 v1(204.66,18.5)
RGB_DATA: length 270.2
  Top w0.25: 183.19,10.36 183.19,8.08 178.36,3.25 30.8,3.25 22.4,11.65 22.4,93.05 v1(9.37,106.08)
  Bottom w0.25: RGB1.4 v1(9.38,106.08)
ROW0: length 417
  In1.Cu w0.25: 190.81,10.41 190.81,9.24 191.71,8.34 196.66,8.34 198.05,9.73 198.05,37.25 191,44.3 191,79.2 195.8,84 195.8,96.8 189.65,102.95 v1(189.65,111.08)
  Bottom w0.25: D1.1 v1(189.65,111.08) 199.25,111.08 199.28,111.05 D89.1
ROW1: length 433.9
  In1.Cu w0.25: J1.24 189.54,8.91 190.88,7.57 197.17,7.57 199.45,9.86 199.45,35.1 210.85,46.5 210.85,57.05 205.4,62.5 205.4,77.55 199.05,83.9 v1(199.05,98.55)
  Bottom w0.25: 177.93,98.55 274.37,98.55 276.24,100.42 299.76,100.42 301.6,98.58 303.45,100.42 338.81,100.42 339.9,99.33 339.9,98.55 ; 20.79,98.6 158.95,98.6 ; D23.1 D24.1
ROW2: length 402.4
  In1.Cu w0.25: v1(169.55,68.21) 173.72,64.04 173.72,42.95 176.1,40.58 176.1,18.08 172.48,14.46 172.48,8.89 173.25,8.12 173.25,8.12 175.02,6.35 186.5,6.35 188.27,8.12 188.27,10.36
  Bottom w0.25: D32.1 D35.1 D36.1 D38.1 v1(169.55,68.21) D42.1 D45.1 D47.1
ROW3: length 392.9
  In1.Cu w0.25: v1(174.75,60.5) 174.75,43.71 177.35,41.1 177.35,18.35 173.2,14.2 173.2,9.32 175.62,6.9 185.8,6.9 187,8.1 187,10.36
  Bottom w0.25: 20.75,60.5 v1(174.75,60.5) 268.4,60.5 269.73,61.83 298.03,61.83 299.36,60.5 300.68,61.83 335.57,61.83 336.9,60.5 D62.1
ROW4: length 363.3
  In1.Cu w0.25: 185.73,10.36 185.73,8.48 184.65,7.4 176.26,7.4 173.91,9.75 173.91,13.61 178.65,18.35 v1(178.65,30.11)
  Bottom w0.25: 316.04,27.49 316.03,27.5 D76.1 ; 316.04,27.49 317,27.49 319.62,30.11 D77.1 ; 316.04,27.49 300.24,27.49 297.62,30.11 D75.1 D74.1 D73.1 D71.1 v1(178.65,30.11) D69.1 D68.1 D66.1 D64.1 D63.1
ROW5: length 335.8
  Bottom w0.25: 186.7,5.65 184.46,7.89 184.46,10.36 ; 186.7,5.65 171.2,5.65 165.79,11.06 D82.1 162.44,11.06 160.34,13.16 160.34,15.07 156.27,19.13 103.82,19.13 101.15,21.8 D81.1 D80.1 D78.1 ; 186.7,5.65 202,5.65 218.65,22.3 D83.1 D84.1 292.18,22.3 294.82,19.66 D86.1 D88.1
Net-(D1-A): length 5.3
  Bottom w0.25: D1.2 19.58,117.6 MX1.2
Net-(D2-A): length 5.3
  Bottom w0.25: MX2.2 43.39,117.6 D2.2
Net-(D3-A): length 5.3
  Bottom w0.25: D3.2 67.2,117.6 MX3.2
Net-(D4-A): length 5.3
  Bottom w0.25: MX4.2 86.25,117.6 D4.2
Net-(D5-A): length 5.3
  Bottom w0.25: MX5.2 105.3,117.6 D5.2
Net-(D6-A): length 5.3
  Bottom w0.25: MX6.2 124.35,117.6 D6.2
Net-(D7-A): length 5.3
  Bottom w0.25: D7.2 148.16,117.6 MX7.2
Net-(D8-A): length 5.3
  Bottom w0.25: MX8.2 167.21,117.6 D8.2
Net-(D9-A): length 5.3
  Bottom w0.25: D9.2 186.26,117.6 MX9.2
Net-(D10-A): length 5.3
  Bottom w0.25: D10.2 205.31,117.6 MX10.2
Net-(D11-A): length 5.3
  Bottom w0.25: D11.2 229.13,117.6 MX11.2
Net-(D12-A): length 5.3
  Bottom w0.25: D12.2 248.18,117.6 246.69,119.08
Net-(D13-A): length 5.3
  Bottom w0.25: D13.2 267.23,117.6 MX13.2
Net-(D14-A): length 5.3
  Bottom w0.25: D14.2 286.28,117.6 MX14.2
Net-(D15-A): length 5.3
  Bottom w0.25: MX15.2 310.09,117.6 D15.2
Net-(D16-A): length 2.7
  Bottom w0.25: MX16.2 20.76,95.27
Net-(D17-A): length 2.7
  Bottom w0.25: MX17.2 44.57,95.27
Net-(D18-A): length 2.8
  Bottom w0.25: MX18.2 63.73,95.27
Net-(D19-A): length 2.8
  Bottom w0.25: MX19.2 82.78,95.27
Net-(D20-A): length 2.8
  Bottom w0.25: MX20.2 101.83,95.27
Net-(D21-A): length 2.8
  Bottom w0.25: MX21.2 120.88,95.27
Net-(D22-A): length 2.8
  Bottom w0.25: 139.96,95.3 139.93,95.27 MX22.2
Net-(D23-A): length 2.8
  Bottom w0.25: 159.01,95.3 158.98,95.27 MX23.2
Net-(D24-A): length 2.7
  Bottom w0.25: MX24.2 177.91,95.27
Net-(D25-A): length 2.7
  Bottom w0.25: MX25.2 196.96,95.27
Net-(D26-A): length 2.7
  Bottom w0.25: MX26.2 216.01,95.27
